# Altium PCB Brake Module B2 Sample.PcbDoc (part 1 of 2) (continued)
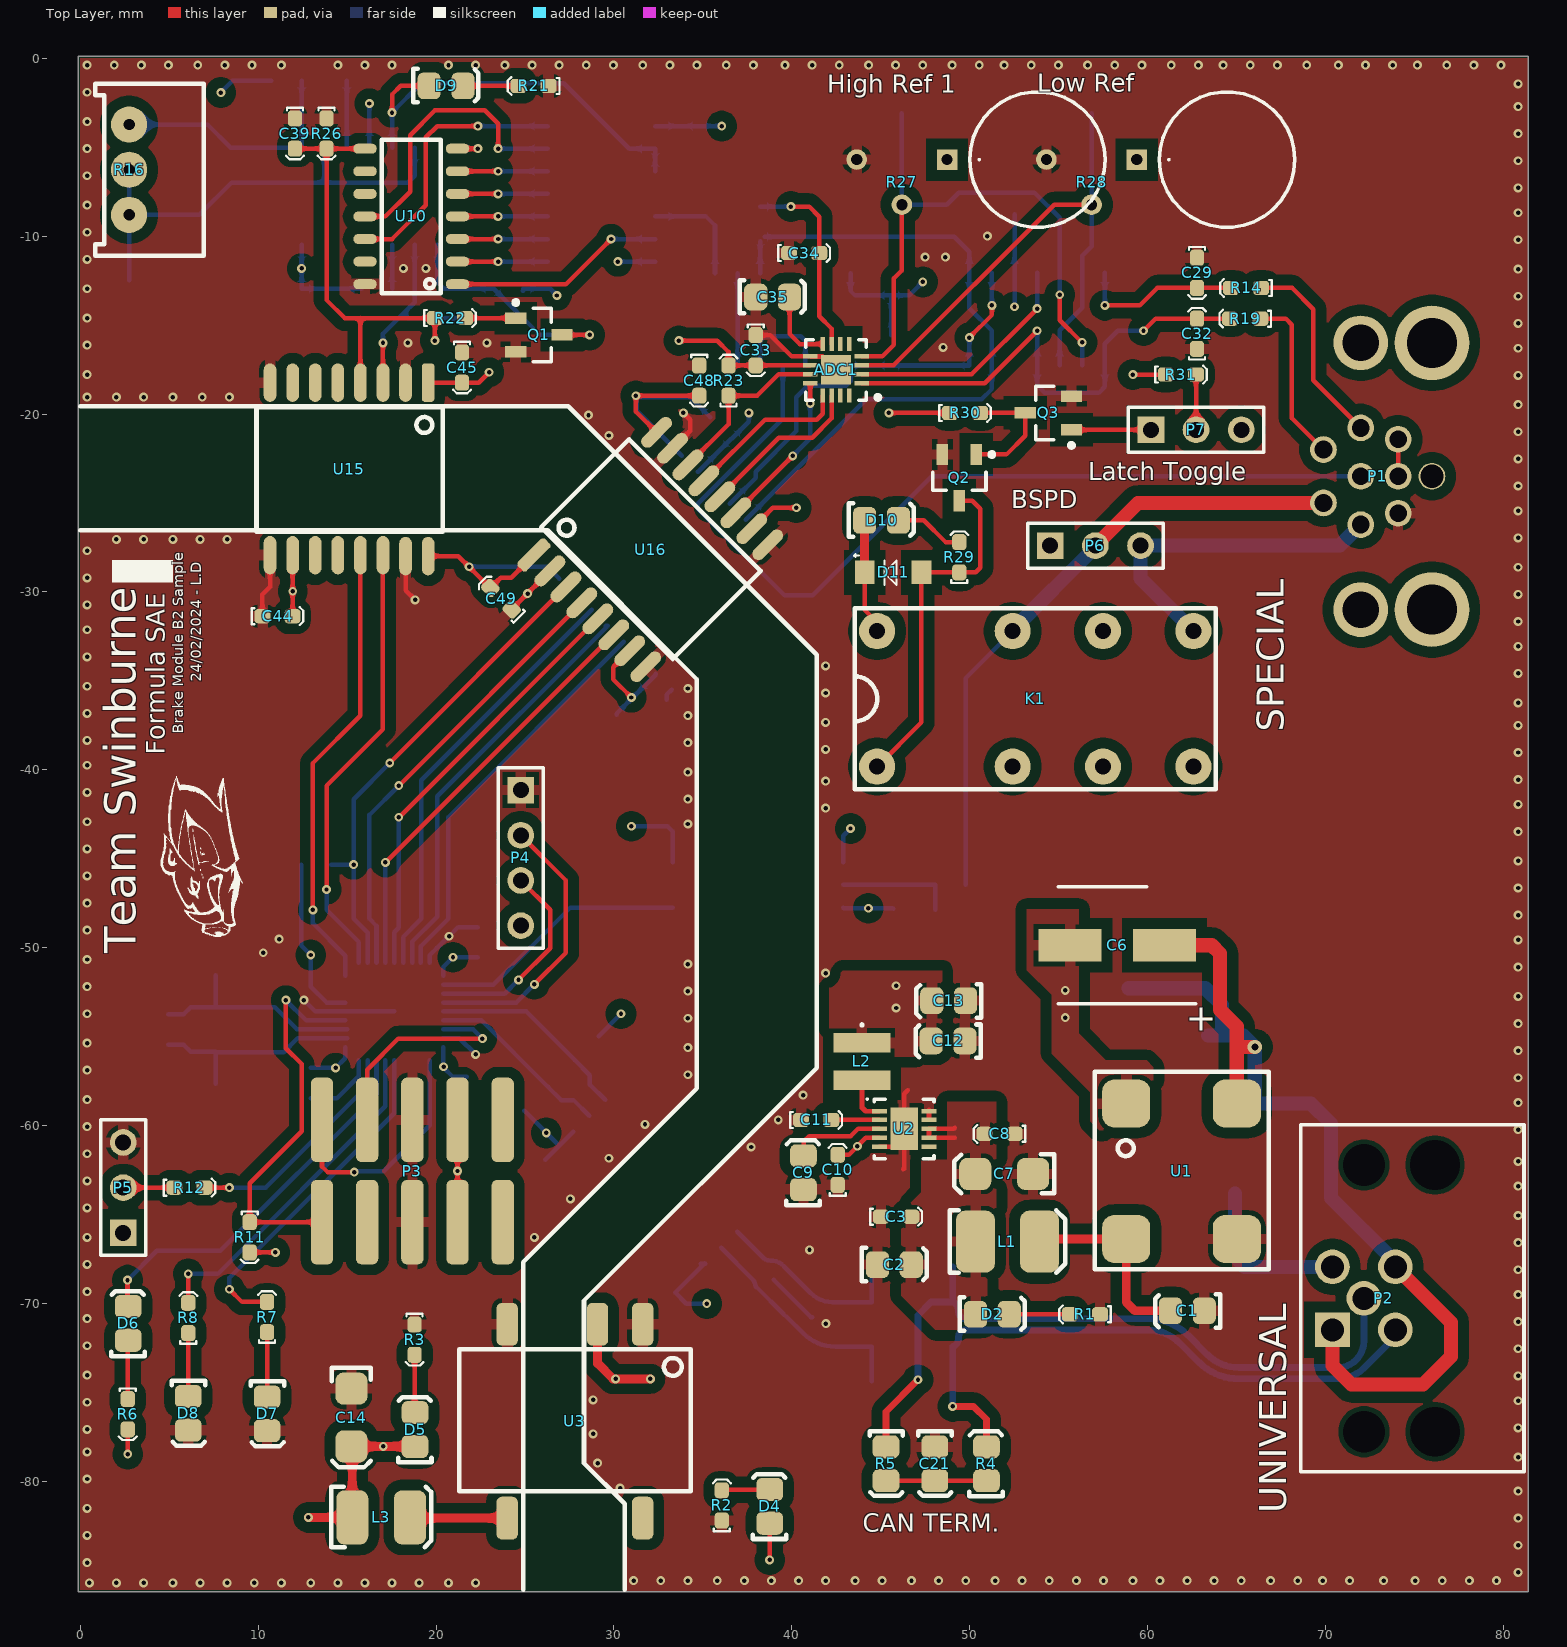
[diagram p0: Top Layer view]
## Design rules (kind name [scope] priority, off if disabled: settings)
Clearance [All] p1: gap=0.254 ignorepadtopadclearanceinfootprint=FALSE except(0: Arc-Hole Track-Hole SMDPad-Hole THPad-Hole Via-Hole Fill-Hole Region-Hole Text-Hole; 0.1: THPad-THPad; 0.152: Arc-SMDPad Track-SMDPad SMDPad-SMDPad; 0.2: Arc-THPad Track-THPad SMDPad-THPad THPad-Via; 0.203: Arc-Arc Arc-Track Arc-Region Track-Track Track-Region SMDPad-Region THPad-Region Via-Region Fill-Region Poly-Region Region-Region; 0.6: Arc-Poly Track-Poly SMDPad-Poly THPad-Poly Via-Poly Fill-Poly Poly-Poly)
DiffPairsRouting [All] p1: maxlimit=0.254 minlimit=0.254 mostfreqgap=0.254 toplayer_minwidth=0.381 toplayer_maxwidth=0.381 toplayer_prefwidth=0.381 midlayer1_minwidth=0.381 midlayer1_maxwidth=0.381 midlayer1_prefwidth=0.381 midlayer2_minwidth=0.381 midlayer2_maxwidth=0.381 midlayer2_prefwidth=0.381 bottomlayer_minwidth=0.381 bottomlayer_maxwidth=0.381 bottomlayer_prefwidth=0.381 maxuncoupledlength=12.7
Height [All] p1: minheight=0 maxheight=50 prefheight=12.7
HoleSize [All] p1: absolutevalues=TRUE maxlimit=10 minlimit=0.025 maxpercent=80.000 minpercent=20.000
MinimumSolderMaskSliver [All] p1 off: minsoldermaskwidth=0.254
NetAntennae [All] p1 off: netantennaetolerance=0
PlaneClearance [All] p1: clearance=0.4
PlaneConnect [All] p1: pad.planeconnectstyle=Relief pad.reliefexpansion=0.508 pad.reliefentries=4 pad.reliefconductorwidth=0.8 pad.reliefairgap=0.254 via.planeconnectstyle=Direct via.reliefexpansion=0.508 via.reliefentries=4 via.reliefconductorwidth=0.8 via.reliefairgap=0.254
PolygonConnect [All] p1: thpad.connectstyle=Relief thpad.reliefconductorwidth=0.6 thpad.reliefentries=4 thpad.polygonreliefangle="90 Angle" thpad.airgapwidth=0.254 smdpad.connectstyle=Relief smdpad.reliefconductorwidth=0.6 smdpad.reliefentries=4 smdpad.polygonreliefangle="90 Angle" smdpad.airgapwidth=0.254 via.connectstyle=Direct via.reliefconductorwidth=0.6 via.reliefentries=4 via.polygonreliefangle="90 Angle" via.airgapwidth=0.254
RoutingVias [All] p1: holewidth=0.711 width=1.27 viastyle="Through Hole" minholewidth=0.203 minwidth=0.254 maxholewidth=0.711 maxwidth=1.27
SilkToSilkClearance [All] p1 off: silktosilkclearance=0.254
SilkToSolderMaskClearance [IsPad] p1 off: minsilkscreentomaskgap=0.254 clearancetoexposedcopper=TRUE
SolderMaskExpansion [All] p1: expansion=0.051 istentingtop=FALSE
Width [All] p1: maxlimit=3 minlimit=0.127 preferedwidth=0.254
21 further rules are at their usual default settings.

## Classes and differential pairs
component class TopLevel: P1 P2
component class "Safety Loop": "BSPD Swap1" C42 C43 D10 D11 K1 P6 P7 Q2 Q3 R29 R30 R31 R32 R33 U13
component class "Power Supply": C1 C2 C3 C4 C5 C6 C7 C8 C9 C10 C11 C12 C13 C14 D1 D2 D3 D4 D5 F1 L1 L2 L3 R1 R2 R3 U1 U2 U3
component class Microcontroller: C22 C23 C24 C25 C26 C27 D6 D7 D8 P3 P4 P5 R6 R7 R8 R9 R10 R11 R12 R13 U7 X1
component class Isolation: C44 C45 C46 C47 C48 C49 R34 U14 U15 U16
component class CAN: C15 C16 C17 C18 C19 C20 C21 R4 R5 U4 U5 U6
component class BSPD: 1 ADC1 "BSPD OK1" C28 C29 C30 C31 C32 C33 C34 C35 C36 C37 C38 C39 C40 C41 D9 "High P.1" "Low P.1" Q1 R14 R15 R16 R17 R18 R19 R20 R21 R22 R23 R24 R25 R26 R27 R28 SR_IN1 U8 U9 U10 U11 U12
differential pair CAN1: +CAN1_P -CAN1_N

## Components (designator, comment, footprint, x,y, rotation, side; value= is the part's Value field where it differs from the comment)
ADC1 "ADS7028IRTER" WFQN-16 42.492,-17.514 r180 top
C1 "10uF" 0805 62.239,-70.446 r180 top
C2 "10uF" 0805 45.784,-67.802 r0 top
C3 "100nF" 0603 45.022,-65.135 r0 top
C4 "100nF" 0603 63.418,-54.952 r180 bottom
C5 "100nF" 0603 58.935,-52.285 r180 bottom
C6 "47uF" "CHEMI-CON ELCO" 58.302,-49.872 r180 top
C7 "4.7uF" "1206 CAP" 50.761,-62.725 r180 top
C8 "100nF" 0603 52.536,-60.475 r180 top
C9 "1µF" 0805 40.632,-62.65 r90 top
C10 "10nF" 0603 42.587,-63.351 r90 top
C11 "100nF" 0603 40.525,-59.695 r0 top
C12 "10uF" 0805 48.777,-55.277 r180 top
C13 "10uF" 0805 48.814,-53.01 r180 top
C14 "4.7uF" "1206 CAP" 15.24,-77.613 r270 top
C15 "100nF" 0603 32.248,-68.198 r315 bottom
C16 "100nF" 0603 24.948,-63.127 r45 bottom
C17 "100pF" 0603 50.752,-67.95 r180 bottom
C18 "100pF" 0603 50.752,-74.45 r180 bottom
C19 "100pF" 0603 42.802,-67.906 r0 bottom
C20 "100pF" 0603 42.802,-74.383 r0 bottom
C21 "22uF" 0805 48.076,-79.037 r270 top
C22 "100nF" 0603 22.352,-48.846 r270 bottom
C23 "100nF" 0603 12.954,-58.469 r90 bottom
C24 "100nF" 0603 11.254,-51.562 r0 bottom
C25 "100nF" 0603 23.417,-57.277 r180 bottom
C26 "22pF" 0603 9.32,-57.658 r180 bottom
C27 "22pF" 0603 9.32,-51.562 r180 bottom
C28 "100nF" 0603 10.746,-12.954 r0 bottom
C29 "100nF" 0603 62.794,-11.212 r270 top
C30 "10uF" 0805 3.683,-12.065 r180 bottom
C31 "10pF" 0603 16.686,-1.27 r180 bottom
C32 "100nF" 0603 62.794,-16.341 r90 top
C33 "100nF" 0603 37.978,-15.564 r270 top
C34 "100nF" 0603 39.85,-10.95 r0 top
C35 "1µF" 0805 38.94,-13.397 r0 top
C36 "100nF" 0603 34.798,-5.51 r90 bottom
C37 "100nF" 0603 50.829,-8.763 r0 bottom
C38 "100nF" 0603 45.593,-11.635 r270 bottom
C39 "100nF" 0603 12.065,-3.38 r270 top
C40 "100nF" 0603 44.494,-3.1 r0 bottom
C41 "100nF" 0603 55.162,-3.1 r0 bottom
C42 "100nF" 0603 45.72,-49.53 r90 bottom
C43 "100nF" 0603 32.385,-41.48 r270 bottom
C44 "100nF" 0603 10.238,-31.369 r0 top
C45 "100nF" 0603 21.463,-16.537 r270 top
C46 "100nF" 0603 31.369,-38.1 r135 bottom
C47 "100nF" 0603 36.635,-21.395 r135 bottom
C48 "100nF" 0603 34.798,-17.272 r270 top
C49 "100nF" 0603 24.257,-30.988 r135 top
D1 "PMEG100T10ELR-QX" SODFL350X110-2N 58.035,-54.952 r0 bottom
D2 "Red" "0805 LED" 51.296,-70.596 r0 top
D3 "SM6T39CAY" SM6T39CAY-Footprint-1 63.877,-58.762 r180 bottom
D4 "Red" "0805 LED" 38.735,-81.407 r90 top
D5 "Red" "0805 LED" 18.796,-77.089 r90 top
D6 "Yellow" "0805 LED" 2.667,-71.12 r90 top
D7 "Yellow" "0805 LED" 10.528,-76.228 r270 top
D8 "Yellow" "0805 LED" 6.096,-76.2 r270 top
D9 "Green" "0805 LED" 20.574,-1.524 r0 top
D10 "Green" "0805 LED" 45.062,-25.953 r0 top
D11 "PMEG100T10ELR-QX" "NXP SOD123W" 45.7,-28.9 r0 top
F1 "0ZCF0100AF2A" 2920 64.925,-63.85 r180 bottom
K1 "V23105A5475A201" "TI 2-DIL" 53.695,-36.015 r0 top
L1 "12uH" 1812 52.134,-66.532 r0 top
L2 "4.7uH" SRN3015TA-4R7M 43.95,-56.4 r270 top
L3 "47 uH" 82473C 18.102,-82.042 r0 top
P1 "43-02639" 43-02639 69.9,-25 r270 top
P2 "T4145035051-001" T4145035051-001 70.405,-71.495 r90 top
P3 "2.54mm" "TH 2.54mm Header 2x5" 18.589,-62.736 r0 top
P4 "2.54mm" "TH 2.54mm Header 1x4" 24.765,-41.148 r270 top
P5 "2.54mm" "TH 2.54mm Header 1x3" 2.413,-66.04 r90 top
P6 "2.54mm" "TH 2.54mm Header 1x3" 54.535,-27.4 r0 top
P7 "2.54mm" "TH 2.54mm Header 1x3" 60.198,-20.889 r0 top
Q1 "SQ2361ES-T1_GE3" "VSHY SOT-23-3" 25.781,-15.555 r0 top
Q2 "SQ2308CES-T1_GE3" "VSHY SOT-23-3" 49.425,-23.575 r270 top
Q3 "SQ2308CES-T1_GE3" "VSHY SOT-23-3" 54.429,-19.939 r180 top
R1 "20K" 0603 57.341,-70.622 r180 top
R2 "2K" 0603 36.068,-82.218 r90 top
R3 "1k" 0603 18.796,-71.198 r270 top
R4 "56R" 0805 50.924,-79.013 r90 top
R5 "56R" 0805 45.326,-79.037 r270 top
R6 "500R" 0603 2.667,-75.389 r270 top
R7 "500R" 0603 10.502,-71.628 r90 top
R8 "500R" 0603 6.07,-71.677 r90 top
R9 "5.1k" 0805 28.499,-55.663 r45 bottom
R10 "5.1k" 0805 25.6,-58.5 r225 bottom
R11 "10k" 0603 9.525,-65.44 r270 top
R12 "10k" 0603 5.285,-63.5 r0 top
R13 "10M" 0603 4.953,-55.46 r90 bottom
R14 "1k" 0603 66.399,-12.912 r180 top
R15 "10k" 0603 12.446,-1.27 r180 bottom
R16 "10K (Var)" "B 3296" 3.302,-6.35 r270 top
R17 "1.2k" 0603 17.526,-12.954 r180 bottom
R18 "1.2k" 0603 23.192,-12.954 r0 bottom
R19 "1k" 0603 66.35,-14.641 r180 top
R20 "10k" 0603 21.414,-16.305 r90 bottom
R21 "1.2k" 0603 26.338,-1.55 r180 top
R22 "680R" 0603 19.939,-14.605 r0 top
R23 "1.2k" 0603 36.449,-18.972 r90 top
R24 "1.2k" 0603 45.593,-17.272 r90 bottom
R25 "1.2k" 0603 38.227,-10.033 r90 bottom
R26 "10k" 0603 13.843,-3.38 r270 top
R27 "3339P-1-103LF" 3339P1103LF 48.734,-5.692 r180 top
R28 "3339P-1-103LF" 3339P1103LF 59.402,-5.692 r180 top
R29 "680R" 0603 49.425,-28.9 r90 top
R30 "680R" 0603 48.895,-19.939 r0 top
R31 "680R" 0603 61.038,-17.78 r0 top
R32 "10k" 0603 48.084,-46.482 r0 bottom
R33 "2K" 0603 48.084,-47.879 r0 bottom
R34 "1.2k" 0603 14.117,-45.339 r180 bottom
U1 "744272121" "Wurth 4-PC Pad" 65.03,-66.382 r90 top value="120uH @ 100kHz"
U2 "LM536015QDSXRQ1" TI_10_WSON 46.325,-60.195 r0 top
U3 "R2S-053.3/P" "RECOM 8-SMD (5 Pin)" 27.813,-76.581 r180 top
U4 "ISO1042" TI-SOIC-8 32.775,-62.725 r315 bottom
U5 "B82787C0104H002" "TDK 4-PC Pad" 49.052,-69.938 r180 bottom value="100µH @ 100kHz"
U6 "NUP2105L" "ON SOT-23" 39.7,-69.4 r225 bottom
U7 "STM32F103T8U6" STM_QFN-36 17.653,-53.594 r0 bottom
U8 "NE556DR" TI-SOIC14 16.256,-7.747 r270 bottom
U9 "MC74HC595ADR2G" "ON 16-SOIC" 29.179,-11.43 r0 bottom
U10 "CD74HC30M96" "TI 14-SOIC" 23.809,6.35 r90 top
U11 "SN74HC00DR" "TI 14-SOIC" 24.257,-19.872 r180 bottom
U12 "LMV339IDR" "TI 14-SOIC" 69.039,-9.465 r0 bottom
U13 "ADuM210N" AD-SOIC-8W 38.1,-47.117 r180 bottom
U14 "ADuM1400" "AD 16-SOIC" 34.417,-29.845 r315 bottom
U15 "ADuM1400" "AD 16-SOIC" 13.843,-23.114 r180 top
U16 "ADum1401" "AD 16-SOIC" 32.996,-28.517 r315 top
X1 "32.768kHz" "EPSON 2-SMD" 7.62,-54.61 r90 bottom

## Footprints (in the part's own frame and the unit in brackets; to place one, negate y for a bottom-side part, rotate by r counter-clockwise, add the part's x,y. Pads: shape width x height; smd on the part's side, far side on the other; paste and mask are expansions set on the pad)
43-02639 [mm]
  round 1.5 hole 1: 1(0,0) 2(-3,0) 3(-4.22,2.1) 4(-3.58,4.2) 5(-1.5,4.2) 6(0.58,4.2) 7(1.22,2.1) 8(-1.5,2.1)
  round 3.075 hole 2.05: MH1(6,2.1) MH3(-9,2.1)
  round 4.2 hole 2.8: MH2(6,6.1) MH4(-9,6.1)
  round 1.5 hole 1.3: MH5(-1.5,6.1)
  body extent -11.02,-1.4 7.98,25.4, height 16.1
0603 [mm]
  rrect50% 0.9x0.8 smd: 1(0,0) 2(1.7,0)
  silkscreen extent -0.6,-0.5 2.3,0.5, body extent 0.05,-0.42 1.65,0.43, height 0.6
0805 [mm]
  rrect50% 1.3x1.5 smd: 1(-0.962,-0.026) 2(0.938,-0.026)
  silkscreen extent -1.85,-0.95 1.8,0.93, body extent -1,-0.65 1,0.66, height 0.73
"0805 LED" [mm]
  rrect50% 1.3x1.5 smd: A(-0.962,-0.026) K(0.938,-0.026)
  silkscreen extent -1.85,-0.95 1.8,0.93, body extent -1.09,-0.63 0.91,0.62, height 1
"1206 CAP" [mm]
  rrect50% 1.8x1.8 smd: 1(-2.81,0) 2(0.44,0)
  silkscreen extent -3.99,-1.09 1.62,1.09, body extent -2.75,-0.79 0.45,0.81, height 1.61
1812 [mm]
  rrect50% 2.2x3.5 smd: 1(-1.8,0) 2(1.8,0)
  silkscreen extent -3.25,-1.75 3.25,1.75, body extent -2.25,-1.6 2.25,1.6, height 2.5
2920 [mm]
  rrect50% 2.3x5.6 smd: 1(0,0) 2(7.3,0)
  silkscreen extent -1.4,-3 9,3, body extent -0.34,-2.81 7.64,2.81, height 1.14
3339P1103LF [mm]
  rect 1.155x1.155 hole 0.63: 1(0,0)
  round 1.155 hole 0.63: 2(2.54,2.54) 3(5.08,0)
  silkscreen extent -8.89,-3.8 -1.27,3.8, body extent -1.27,-3.81 6.35,3.81, height 6.7
82473C [mm]
  rrect50% 1.8x3.05 smd: 1(-2.81,0) 2(0.44,0)
  silkscreen extent -3.99,-1.68 1.62,1.73, body extent -2.81,-1.25 0.45,1.26, height 2
"AD 16-SOIC" [mil]
  rrect50% 28x85 smd: 1(-225,-192.02)
  oval 28x85 smd: 2(-175,-192.02) 3(-125,-192.02) 4(-75,-192.02) 5(-25,-192.02) 6(25,-192.02) 7(75,-192.02) 8(125,-192.02) 9(125,190) 10(75,189.96) 11(25,189.96) 12(-25,189.96) 13(-75,189.96) 14(-125,189.96) 15(-175,191.98) 16(-225,191.98)
  silkscreen extent -257,-138 155,138, body extent -256,-209 156,209, height 104
AD-SOIC-8W [mm]
  rrect50% 1.7x0.6 smd: 1(-4.8,1.905) 2(-4.8,0.635) 3(-4.8,-0.635) 4(-4.8,-1.905) 5(4.8,-1.905) 6(4.8,-0.635) 7(4.8,0.635) 8(4.8,1.905)
  silkscreen extent -4.93,-3.05 3.55,3.05, body extent -5.16,-3.05 5.16,3.05, height 2.65
"B 3296" [mil]
  round 80 hole 25.2: 1(-103.39,-22) 2(-3.39,-22) 3(96.61,-22)
  silkscreen extent -193,-97 187,143, body extent -191,-97 184,143, height 455
"CHEMI-CON ELCO" [mm]
  rect 3.55x1.85 smd: 1(-2.65,0) 2(2.65,0)
  silkscreen extent -4.43,-3.3 3.3,3.3, body extent -3.7,-3.4 3.7,3.4, height 6.1
"EPSON 2-SMD" [mm]
  rrect50% 1x1.8 smd: 1(-1.25,0) 2(1.25,0)
  silkscreen extent -2,-1.2 2,1.2, body extent -1.5,-1 1.5,1, height 1
"NXP SOD123W" [mm]
  rect 1.1x1.3 smd: A(1.6,0) K(-1.6,0)
  silkscreen extent -2.2,-0.73 0.2,1.04, body extent -1.75,-0.95 1.75,0.95, height 1.1
"ON 16-SOIC" [mm]
  rrect50% 1.6x0.58 smd: 1(-2.89,0) 2(-2.89,-1.27) 3(-2.89,-2.54) 4(-2.89,-3.81) 5(-2.89,-5.08) 6(-2.89,-6.35) 7(-2.89,-7.62) 8(-2.89,-8.89) 9(3.14,-8.89) 10(3.14,-7.62) 11(3.14,-6.35) 12(3.14,-5.08) 13(3.14,-3.81) 14(3.14,-2.54) 15(3.14,-1.27) 16(3.14,0)
  silkscreen extent -1.75,-9.5 2,0.75, body extent -3.09,-9.4 3.14,0.6, height 1.75
"ON SOT-23" [mm] "NUP2105L"
  rrect50% 0.8x0.9 smd: 1(-0.95,-1) 2(0.95,-1) 3(0,1)
  silkscreen extent -1.75,-0.65 1.75,0.75, body extent -1.5,-1.28 1.5,1.27, height 1
"RECOM 8-SMD (5 Pin)" [mm]
  rrect50% 1.2x2.4 smd: 1(-3.81,-5.4) 2(-1.27,-5.4) 4(3.81,-5.4) 5(3.81,5.5) 8(-3.81,5.5)
  silkscreen extent -6.5,-4 6.5,4, body extent -6.37,-5.55 6.38,5.55, height 9.2
SM6T39CAY-Footprint-1 [mm]
  rect 2.28x2.12 smd: A(2.165,0) K(-2.165,0)
  silkscreen extent -2.16,-1.81 2.16,1.81, body extent -2.79,-1.98 2.79,1.98, height 2.64
SODFL350X110-2N [mm] "SODFL, 2-Leads, Body 1.70x3.50mm, IPC Medium Density"
  rect 0.95x1.1 smd: A(1.575,0) K(-1.575,0)
  silkscreen extent -2.29,-1.19 2.28,1.18, body extent -1.75,-0.95 1.75,0.95, height 1.1
SRN3015TA-4R7M [mm]
  rect 1.1x3.2 smd: 1(-1.05,0) 2(1.05,0)
  silkscreen extent -2.1,-0.05 -2,0.05, body extent -1.46,-1.47 1.61,1.47, height 1.4
STM_QFN-36 [mm]
  rrect50% 1.1x0.25 smd: 1(-2.75,2) 2(-2.75,1.5) 3(-2.75,1) 4(-2.75,0.5) 5(-2.75,0) 6(-2.75,-0.5) 7(-2.75,-1) 8(-2.75,-1.5) 9(-2.75,-2) 19(2.75,-2) 20(2.75,-1.5) 21(2.75,-1) 22(2.75,-0.5) 23(2.75,0) 24(2.75,0.5) 25(2.75,1) 26(2.75,1.5) 27(2.75,2)
  rrect50% 0.25x1.1 smd: 10(-2,-2.75) 11(-1.5,-2.75) 12(-1,-2.75) 13(-0.5,-2.75) 14(0,-2.75) 15(0.5,-2.75) 16(1,-2.75) 17(1.5,-2.75) 18(2,-2.75) 28(2,2.75) 29(1.5,2.75) 30(1,2.75) 31(0.5,2.75) 32(0,2.75) 33(-0.5,2.75) 34(-1,2.75) 35(-1.5,2.75) 36(-2,2.75)
  rect 3x3 smd: 37(0,0)
  silkscreen extent -3.98,-3.21 3.21,3.21, body extent -3.08,-3.08 3.08,3.08, height 1
T4145035051-001 [mm]
  rect 1.95x1.95 hole 1.3: 1(0,0)
  round 1.95 hole 1.3: 2(3.54,0) 3(3.54,-3.54) 4(0,-3.54) 5(1.77,-1.77)
  round 1.175 hole 2.35 unplated: 6(-5.73,-1.77) 9(9.27,-1.77)
  round 1.4 hole 2.8 unplated: 7(-5.73,-5.77) 8(9.27,-5.77)
  silkscreen extent -7.98,-10.77 11.52,1.77, body extent -7.97,-24.73 11.53,1.27, height 16.2
"TDK 4-PC Pad" [mm]
  rrect50% 1.35x0.9 smd: 1(0,-2.5) 2(0,0) 3(4.55,0) 4(4.55,-2.5)
  silkscreen extent -1,-3.2 5.5,0.7, body extent -0.02,-2.82 4.48,0.38, height 2.8
"TH 2.54mm Header 1x3" [mm]
  rect 1.5x1.5 hole 0.9: 1(0,0)
  round 1.5 hole 0.9: 2(2.54,0) 3(5.08,0)
  silkscreen extent -1.27,-1.27 6.35,1.27, body extent -1.27,-1.27 6.35,1.27, height 9.5
"TH 2.54mm Header 1x4" [mm]
  rect 1.5x1.5 hole 0.9: 1(0,0)
  round 1.5 hole 0.9: 2(2.54,0) 3(5.08,0) 4(7.62,0)
  silkscreen extent -1.27,-1.27 8.89,1.27, body extent -1.27,-1.27 8.89,1.27, height 9.5
"TH 2.54mm Header 2x5" [mm]
  rrect50% 1.25x4.75 smd: 1(-5,-2.704) 2(-5,3.046) 3(-2.46,-2.704) 4(-2.46,3.046) 5(0.08,-2.704) 6(0.08,3.046) 7(2.62,-2.704) 8(2.62,3.046) 9(5.16,-2.704) 10(5.16,3.046)
"TI 2-DIL" [mil]
  round 80 hole 35.43: 1(-350,-150) 4(-50,-150) 6(150,-150) 8(350,-150) 9(350,150) 11(150,150) 13(-50,150) 16(-350,150)
  silkscreen extent -400,-200 400,200, body extent -398,-197 398,197, height 450
"TI 14-SOIC" [mil]
  oval 22x52 smd: 1(-750,102.36) 2(-700,102.36) 3(-650,102.36) 4(-600,102.36) 5(-550,102.36) 6(-500,102.36) 7(-450,102.36) 8(-450,307.09) 9(-500,307.09) 10(-550,307.09) 11(-600,307.09) 12(-650,307.09) 13(-700,307.09) 14(-750,307.09)
  silkscreen extent -770,140 -430,270, body extent -770,86 -430,323, height 69
TI-SOIC14 [mm]
  rrect50% 1.45x0.6 smd: 1(-2.725,3.81) 2(-2.725,2.54) 3(-2.725,1.27) 4(-2.725,0) 5(-2.725,-1.27) 6(-2.725,-2.54) 7(-2.725,-3.81) 8(2.725,-3.81) 9(2.725,-2.54) 10(2.725,-1.27) 11(2.725,0) 12(2.725,1.27) 13(2.725,2.54) 14(2.725,3.81)
  silkscreen extent -2.85,-4.4 1.6,4.78, body extent -3,-4.4 3,4.4, height 1.75
TI-SOIC-8 [mm]
  rrect50% 1.95x0.6 smd: 1(-5.25,1.905) 2(-5.25,0.635) 3(-5.25,-0.635) 4(-5.25,-1.905) 5(5.25,-1.905) 6(5.25,-0.635) 7(5.25,0.635) 8(5.25,1.905)
  silkscreen extent -5.37,-3 3.88,3, body extent -5.75,-3 5.75,3, height 2.8
TI_10_WSON [mm]
  rect 0.85x0.25 smd: 1(-1.395,1) 2(-1.395,0.5) 3(-1.395,0) 4(-1.395,-0.5) 5(-1.395,-1) 6(1.395,-1) 7(1.395,-0.5) 8(1.395,0) 9(1.395,0.5) 10(1.395,1)
  rect 1.54x2.4 smd: 11(0,0)
  silkscreen extent -2.12,-1.68 1.67,1.72, body extent -1.58,-1.53 1.58,1.53, height 0.8
"VSHY SOT-23-3" [mm] "SOT23, 3-Leads, Body 2.92x2.37mm, Pitch 0.95mm, IPC Low Density"
  rect 1.2x0.65 smd: D(1.3,0) G(-1.3,0.95) S(-1.3,-0.95)
  silkscreen extent -1.42,-1.5 0.7,1.95, body extent -1.32,-1.52 1.32,1.52, height 1.12
WFQN-16 [mm]
  rect 0.8x0.25 smd: 1(-1.45,0.75) 2(-1.45,0.25) 3(-1.45,-0.25) 4(-1.45,-0.75) 9(1.45,-0.75) 10(1.45,-0.25) 11(1.45,0.25) 12(1.45,0.75)
  rect 0.25x0.8 smd: 5(-0.75,-1.45) 6(-0.25,-1.45) 7(0.25,-1.45) 8(0.75,-1.45) 13(0.75,1.45) 14(0.25,1.45) 15(-0.25,1.45) 16(-0.75,1.45)
  rect 1.68x1.68 smd: 17(0,0)
  silkscreen extent -2.48,-1.7 1.7,1.7, body extent -1.6,-1.6 1.6,1.6, height 0.8
"Wurth 4-PC Pad" [mm]
  rrect50% 2.7x2.7 smd: 1(7.62,6.22) 2(0,6.22) 3(0,0) 4(7.62,0)
  silkscreen extent -1.7,-1.8 9.4,8, body extent -1.19,-1.24 8.81,7.46, height 6.2

## Part data
ADC1: "IC ADC 12BIT SAR 16WQFN", Manufacturer="Texas Instruments", Digikey Link=https://www.digikey.com.au/en/products/detail/texas-instruments/ADS7028IRTER/12696020?s=N4IgTCBcDaIIIBEDKB2ADGAHASQEoBUBRXEAXQF8g, Digikey Part Number=ADS7028IRTER, Part Number=ADS7028IRTER
C1 C2 C12 C13 C30: library part GRM21BR6YA106KE43L, Digikey Part Number=490-10514-6-ND, Manufacturer=muRata, Rated Voltage=50V, Temperature Rating=X5R, Tolerance=10%, Material=MLCC, Part Number=GRM21BR6YA106KE43L
C3 C4 C5 C8 C11 C15 C16 C22 C23 C24 C25 C28 C29 C32 C33 C34 C36 C37 C38 C39 C40 C41 C42 C43 C44 C45 C46 C47 C48 C49: library part GCM188L81H104KA57D, Digikey Part Number=490-6049-1-ND, Manufacturer=muRata, Rated Voltage=50V, Temperature Rating=X8L, Tolerance=±10%, Material=MLCC, Part Number=GCM188L81H104KA57D
C6: library part HHXA350ARA470MF61G, Part Number=HHXA350ARA470MF61G
C7 C14: library part GRM31CR71H475KA12K, Digikey Part Number=490-GRM31CR71H475KA12KTR-ND, Manufacturer="Murata Electronics", Rated Voltage=50V, Temperature Rating=X7R, Tolerance=±10%, Material=MLCC, Part Number=GRM31CR71H475KA12K
C9 C35: library part GCM21BR71H105KA03L, Digikey Part Number=490-10675-1-ND, Manufacturer=muRata, Rated Voltage=50V, Temperature Rating=X7R, Tolerance=±10%, Material=MLCC, Part Number=GCM21BR71H105KA03L
C10: library part GCM188L81H103KA03D, Digikey Part Number=490-GCM188L81H103KA03DCT-ND, Manufacturer=muRata, Rated Voltage=50V, Temperature Rating=X8L, Tolerance=±10%, Material=MLCC, Part Number=GCM188L81H103KA03D
C17 C18 C19 C20: library part GRM1885C1H101JA01D, Digikey Part Number=490-1427-1-ND, Manufacturer="Murata Electronics", Rated Voltage=50V, Temperature Rating="C0G, NP0", Tolerance=±5%, Material=MLCC, Part Number=GRM1885C1H101JA01D
C21: library part GRM21BR61A226ME51L, Digikey Part Number=490-10511-1-ND, Manufacturer=muRata, Rated Voltage=10V, Temperature Rating=X5R, Tolerance=20%, Material=MLCC, Part Number=GRM21BR61A226ME51L
C26 C27: library part GRM0335C1H220JA01D, Digikey Part Number=490-6123-1-ND, Manufacturer="Murata Electronics", Rated Voltage=50V, Temperature Rating="C0G, NP0", Tolerance=±5%, Material=MLCC, Part Number=GRM0335C1H220JA01D
C31: library part GRM1885C1H100JA01D, Digikey Part Number=490-1403-1-ND, Manufacturer="Murata Electronics", Rated Voltage=50V, Temperature Rating="C0G, NP0", Tolerance=±5%, Material=MLCC, Part Number=GRM1885C1H100JA01D
D1: library part CMP-004-00005-4, "Diode 100 V 1A Surface Mount SOD-123W"
D2 D4 D5: library part SML-210LTT86, "Red LED Indication - Discrete 1.75V 0805 (2012 Metric)", Digikey Part Number=511-1286-1-ND, Manufacturer="ROHM Semiconductor", Colour=Red, Part Number=SML-210LTT86
D3: library part CMP-004-00003-4, "TVS Diode Single Bi-Dir 33.3V 600W Automotive 2-Pin SMB T/R / TVS DIODE 33.3VWM 69.7VC SMB", Breakdown Voltage=39V, Case/Package=DO-214AA, Clamping Voltage=53.9V, Leakage Current=200nA, Max Breakdown Voltage=41V, Max Operating Temperature=150°C, Max Power Dissipation=600W, Max Surge Current=11.1A, Min Breakdown Voltage=37.1V, Min Operating Temperature=-55°C, Operating Supply Voltage=30V, Package Quantity=1, Peak Pulse Current=57A, Power Line Protection=No, Resistor Type=Zener, Reverse Standoff Voltage=33.3V, Test Current=1mA, Diode Type=ZENER, Direction=Bidirectional, Element Configuration=Single, Height=2.45mm, Length=4.6mm, Max Reverse Leakage Current=200nA, Mount="Surface Mount", Number of Bidirectional Channels=1, Number of Channels=1, Number of Elements=1, Number of Pins=2, Packaging="Tape and Reel", Peak Pulse Power=600W, Polarity=Bidirectional, Radiation Hardening=No, REACH SVHC="No SVHC", Reverse Breakdown Voltage=37.1V, RoHS Compliant=Yes, Series="Automotive, AEC-Q101, SM6TY, TRANSIL™", Termination=SMD/SMT, Width=3.95mm
D6 D7 D8: library part SML-211YTT86, "Yellow LED Indication - Discrete 1.75V 0805 (2012 Metric)", Digikey Part Number=511-1293-1-ND, Manufacturer="ROHM Semiconductor", Colour=Yellow, Part Number=SML-211YTT86
D9 D10: library part SML-210FTT86, "Green LED Indication - Discrete 1.75V 0805 (2012 Metric)", Digikey Part Number=511-1285-1-ND, Manufacturer="ROHM Semiconductor", Colour=Green, Part Number=SML-210FTT86
D11: Breakdown Voltage="100 V", Digikey Part Number=1727-PMEG100T10ELR-QXCT-ND, Forward Voltage="0.75 V @ 1A", Manufacturer="Nexperia USA Inc.", Rated Power="680 mW", Part Number=PMEG100T10ELR-QX
F1: "PTC RESET FUSE 60V 1A 292", Digikey Part Number=507-2070-1-ND, Manufacturer="Littelfuse Inc.", Digikey Link=https://www.digikey.com/product-detail/en/bel-fuse-inc/0ZCF0100AF2A/507-2070-1-ND/6210547, Part Number=0ZCF0100AF2A
K1: "5V DPDT Relay 3A 220VDC", Digikey Part Number=PB383-ND, Manufacturer=Axicom, Digikey Link=https://www.digikey.com/products/en?mpart=V23105A5001A201&v=41, Part Number=V23105A5475A201
L1: library part RLS-126, Digikey Part Number=945-3429-ND, Manufacturer=Recom, Rated Current="0.8 A", Tolerance=0.2, Impedance=230mOhm, Material=Wirewound, Part Number=RLS-126
L2: library part SRN3015TA-4R7M, Digikey Part Number=SRN3015TA-4R7MCT-ND, Manufacturer=Bourns, Rated Current=1.2A, Tolerance=0.2, Impedance=120mOhms, Material=Wirewound, Part Number=SRN3015TA-4R7M
L3: library part 82473C, Digikey Part Number=811-2477-2-ND, Manufacturer="Murata Power Solutions Inc.", Rated Current=250mA, Tolerance=0.1, Impedance="1.69 Ohms", Material=Wirewound, Part Number=82473C
P1: "M12, 8 Pin Connector", Angle=90, Contact="Copper Alloy", Flange=Yes, Part Number=43-02639, Positions=8
P2: "M12 NMEA 2000 Header", Angle=90, Contact="Copper Alloy", Flange=Yes, Part Number=T4145035051-001, Positions=5
P3: library part "SMD 2.54mm Header 2x5", Angle=0, Contact=NA, Flange=No, Part Number="SMD 2.54mm Header 2x5", Pitch=2.54mm, Positions=10, Row Spacing=2.54mm
P4: library part "TH 2.54mm Header 1x4", Angle=0, Contact=NA, Flange=No, Part Number="TH 2.54mm Header 1x4", Pitch=2.54mm, Positions=4, Row Spacing=2.54mm
P5 P6 P7: library part "TH 2.54mm Header 1x3", Angle=0, Contact=NA, Flange=No, Part Number="TH 2.54mm Header 1x3", Pitch=2.54mm, Positions=3, Row Spacing=2.54mm
Q1: "MOSFET P-CH 60V 2.8A SSOT23", Digikey Part Number=SQ2361ES-T1_GE3CT-ND, Manufacturer="Vishay Siliconix", Rated Power="2 W", LatestRevisionDate=29-May-2009, LatestRevisionNote="IPC-7351 Footprint Added.", PackageDescription="4-Pin SOT-343 Package 1.3 mm Pitch, 2.1 mm Lead Span", PackageReference=SOT-343, PackageVersion=Sep-2000, Part Number=SQ2361ES-T1_GE3, Published=24-Mar-1999, Publisher="Altium Limited", Type=P-channel
Q2 Q3: "MOSFET N-CH 60V 2.3A SOT23", Digikey Part Number=SQ2308CES-T1_GE3CT-ND, Manufacturer="Vishay Siliconix", Rated Power=2W, LatestRevisionDate=29-May-2009, LatestRevisionNote="IPC-7351 Footprint Added.", PackageDescription="4-Pin SOT-343 Package 1.3 mm Pitch, 2.1 mm Lead Span", PackageReference=SOT-343, PackageVersion=Sep-2000, Part Number=SQ2308CES-T1_GE3, Published=24-Mar-1999, Publisher="Altium Limited", Type=N-channel
R1: library part RC0603FR-0720KL, Digikey Part Number=311-20.0KHRCT-ND, Manufacturer=YAGEO, Rated Power=0.1W, Tolerance=0.01, Material=FR-07, Part Number=RC0603FR-0720KL
R2 R33: library part RC0603FR-072KL, Digikey Part Number=311-2.00KHRCT-ND, Manufacturer=YAGEO, Rated Power=0.1W, Tolerance=0.01, Material=FR-07, Part Number=RC0603FR-072KL
R3 R14 R19: library part RC0603FR-071KL, Digikey Part Number=311-1.00KHRCT-ND, Manufacturer=YAGEO, Rated Power=0.1W, Tolerance=0.01, Material=FR-07, Part Number=RC0603FR-071KL
R4 R5: library part RC0805FR0756RL, Digikey Part Number=311-56.0CRCT-ND, Manufacturer=YAGEO, Rated Power=0.125W, Tolerance=0.01, Material=FR-07, Part Number=RC0805FR0756RL
R6 R7 R8: library part RT0603BRD07500RL, Digikey Part Number=13-RT0603BRD07500RL-ND, Manufacturer=YAGEO, Rated Power=0.1W, Tolerance=0.01, Material=FR-07, Part Number=RT0603BRD07500RL
R9 R10: library part RC0805FR075K1L, Digikey Part Number=311-5.10KCRCT-ND, Manufacturer=YAGEO, Rated Power=0.125W, Tolerance=0.01, Material=FR-07, Part Number=RC0805FR075K1L
R11 R12 R15 R20 R26 R32: library part RC0603FR-0710KL, Digikey Part Number=311-10.0KHRCT-ND, Manufacturer=YAGEO, Rated Power=0.1W, Tolerance=0.01, Material=FR-07, Part Number=RC0603FR-0710KL
R13: library part RC0603FR-1310ML, Digikey Part Number=13-RC0603FR-1310MLCT-ND, Manufacturer=YAGEO, Rated Power=0.1W, Tolerance=0.01, Material=FR-07, Part Number=RC0603FR-1310ML
R16: library part 3296W-1-103LF, Digikey Part Number=3296W-103LF-ND, Manufacturer="Bournes Inc", Rated Power=0.5W, Tolerance=0.1, Part Number=3296W-1-103LF
R17 R18 R21 R23 R24 R25 R34: library part RC0603JR-071K2L, Digikey Part Number=311-1.2KGRCT-ND, Manufacturer=YAGEO, Rated Power=0.1W, Tolerance=0.01, Material=FR-07, Part Number=RC0603JR-071K2L
R22 R29 R30 R31: library part RC0603JR-13680RL, Digikey Part Number=13-RC0603JR-13680RLCT-ND, Manufacturer=YAGEO, Rated Power=0.1W, Tolerance=0.01, Material=FR-07, Part Number=RC0603JR-13680RL
R27 R28: "Variable Resistor", Manufacturer_Name=Bourns, Mouser Part Number=652-3339P-1-103LF, Arrow Part Number=3339P-1-103LF, Arrow Price/Stock=https://www.arrow.com/en/products/3339p-1-103lf/bourns?region=nac, Datasheet Link=http://www.bourns.com/docs/Product-Datasheets/3339.pdf, Height=6.6mm, Manufacturer_Part_Number=3339P-1-103LF, Mouser Price/Stock=https://www.mouser.co.uk/ProductDetail/Bourns/3339P-1-103LF?qs=pSi0RBzb0oq3DckZs1IQyg%3D%3D
U1: Digikey Part Number=732-1489-1-ND, Manufacturer="Wurth Electronics Inc", Rated Current="2.5 A", Impedance="460 Ohms @ 30MHz", Material=Wirewound, Part Number=744272121
U2: "DC DC CONVERTER 5V", Digikey Part Number=296-50359-1-ND, Input Voltage="4.5 to 36 V", Manufacturer="Texas Instruments", Output Current="1.0 A", Output Voltage=5V, Part Number=LM536015QDSXRQ1
U3: "Isolated Module DC DC Converter 1 Output 3.3V 606mA 4.5V - 5.5V Input", Digikey Part Number=945-2677-5-ND, Input Voltage=4.5V-5.5V, Manufacturer=Recom, Output Current=606mA, Output Voltage=3.3V, Part Number=R2S-053.3/P
U4: "IC CAN TRANSCEIVER 1/1 8SOIC", Digikey Part Number=296-ISO1042BQDWVQ1-ND, Manufacturer="Texas Instruments", Part Number=ISO1042
U5: Digikey Part Number=495-4598-1-ND, Manufacturer="EPCOS (TDK)", Rated Current=150mA, Impedance="5.8 kOhms @ 10MHz", Material=Wirewound, Part Number=B82787C0104H002
U6: "Dual Line CAN Bus Protector", Digikey Part Number=NUP2105LT1GOSCT-ND, Manufacturer="ON Semiconductor", Digikey Link=https://www.digikey.com/product-detail/en/on-semiconductor/NUP2105LT1G/NUP2105LT1GOSCT-ND/1485001, Part Number=NUP2105L
U7: "ARM® Cortex®-M3 STM32F1 Microcontroller IC 32-Bit 72MHz 64KB (64K x 8) FLASH QFN", Manufacturer="ST Microelectronics", Digikey Link=https://www.digikey.com/en/products/detail/stmicroelectronics/stm32f103t8u6/1852493, Digikey Part Number=STM32F103T8U6, Part Number=STM32F103T8U6
U8: "IC OSC TIMER DUAL 100KHZ 14SOIC", Digikey Part Number=296-26240-1-ND, Manufacturer="Texas Instruments", Digikey Link=https://www.digikey.com.au/en/products/detail/texas-instruments/ne556dr/1571975, Part Number=NE556DR
U9: library part CMP-022-000000-1, "IC SHIFT REGISTR 8BIT 3ST 16SOIC", Part Number=MC74HC595ADR2G
U10: library part CMP-022-000012-1, "IC GATE NAND 1CH 8-INP 14SOIC", Part Number=CD74HC30M96
U11: library part CMP-022-000002-1, "NAND Gate IC 4 Channel 14-SOIC", Part Number=SN74HC00DR
U12: library part CMP-022-000001-1, "Comparator General Purpose Open Collector 14-SOIC", Part Number=LMV339IDR
U13: "DGTL ISO 5000VRMS 1CH GP 8SOIC", Digikey Part Number=ADUM210N1BRIZ-ND, Manufacturer="Analogue Devices", Digikey Link=https://www.analog.com/media/en/technical-documentation/data-sheets/ADuM210N.pdf, Part Number=ADuM210N
U14 U15: "General Purpose Digital Isolator 2500Vrms 4 Channel 1Mbps 25kV/µs CMTI 16-SOIC (0.295\", 7.50mm Width)", Digikey Part Number=ADUM1400WSRWZ-ND, Manufacturer="Analog Devices", Digikey Link=https://www.digikey.com/product-detail/en/analog-devices-inc/ADUM1400WSRWZ/ADUM1400WSRWZ-ND/1873713, Part Number=ADuM1400
U16: library part ADuM1401, "General Purpose Digital Isolator 2500Vrms 4 Channel 1Mbps 25kV/µs CMTI 16-SOIC (0.295\", 7.50mm Width)", Manufacturer="Analog Devices", Part Number=ADuM1401
X1: library part "FC-135 32.7680KA-A5", Digikey Part Number=SER4103TR-ND, Load Capacitance=12.5pF, Manufacturer=EPSON, Digikey Link=https://www.digikey.com/product-detail/en/epson/FC-135-32.7680KA-A5/SER4103TR-ND/5259895, ESR=70k, Part Number="FC-135 32.7680KA-A5"

## Via types
v1: diameter 0.5, hole 0.25, Top Layer to Bottom Layer, 345 vias
v2: diameter 0.8, hole 0.4, Top Layer to Bottom Layer, 1 vias

## Nets (pads, with @x,y where several pads share a name; then routed paths per layer and width w, separated by ;. In a path a pad name is that pad's centre, name@x,y a point inside that pad or via, vN(x,y) a via of type N, cw(c..) or ccw(c..) an arc to the next point about the centre after c; other vN are vias at no path point)
0V: ADC1.9 ADC1.17 C1.1 C2.1 C3.1 C7.1 C8.1 C9.1 C10.1 C11.1 C12.1 C13.1 C15.1 C17.1 C18.1 C19.1 C20.1 C21.1 C28.1 C29.1 C30.1 C31.1 C32.1 C33.1 C34.1 C35.1 C36.1 C37.1 C38.1 C39.1 C40.1 C41.1 C42.1 C45.1 C47.1 C48.1 P1.6 Q1.S Q2.S Q3.S R1.1 R2.1 R20.1 R21.1 R26.1 R27.3 R28.3 R33.2 U1.3 U2.5 U2.9 U2.10 U2.11 U3.1 U4.5 U6.3 U8.7 U8.12 U9.8 U9.13 U10.14 U11.7 U12.12 U13.4 U14.2 U14.8 U15.2 U15.8 U16.9 U16.15 | length 22.2
  Top Layer w0.254: U16.15@33.301,-21.926 34.29,-20.937 34.29,-20.32 v1(33.909,-19.939) ; C33.1@37.978,-15.564 38.805,-15.564 40.005,-16.764 ADC1.9@41.042,-16.764 41.044,-16.766 41.744,-16.766 ADC1.17@42.492,-17.514 ; U2.5@44.93,-61.195 45.682,-61.195 U2.11@46.325,-60.552 ; 46.275,-62.475 46.325,-62.425 U2.11@46.325,-60.552 ; 46.525,-58.025 46.325,-58.225 U2.11@46.325,-60.195 U2.11@46.325,-60.552 ; U2.9@47.72,-59.695 U2.10@47.72,-59.195 U2.10@47.72,-59.13
  Bottom Layer w0.254: U14.2@34.723,-23.253 34.75,-23.253 36.608,-21.395 C47.1@36.635,-21.395 37.592,-20.438 v1(37.592,-19.939) ; U6.3@38.993,-68.693 41.075,-70.775 41.15,-70.775
  other v1: 31.115,-85.598 32.639,-85.598 34.163,-85.598 35.814,-85.598 37.338,-85.598 38.862,-85.598 40.386,-85.598 41.91,-85.598 43.561,-85.598 45.085,-85.598 46.736,-85.598 48.26,-85.598 49.784,-85.598 51.435,-85.598 52.959,-85.598 54.483,-85.598 56.007,-85.598 57.531,-85.598 59.182,-85.598 60.706,-85.598 62.23,-85.598 63.754,-85.598 65.278,-85.598 66.929,-85.598 68.453,-85.598 69.85,-85.598 71.374,-85.598 73.279,-85.598 75.057,-85.598 76.581,-85.598 78.105,-85.598 79.629,-85.598 80.85,-85.134 80.85,-83.61 80.85,-82.086 80.85,-80.562 30.353,-80.391 29.083,-78.994 80.85,-78.657 28.829,-77.343 80.85,-77.006 80.85,-75.482 28.829,-75.438 80.85,-74.085 80.85,-72.561 41.925,-71.15 80.85,-71.037 80.85,-69.513 80.85,-68.116 41,-67 80.85,-66.592 80.85,-65.068 80.85,-63.417 80.85,-62.02 37.719,-61.214 80.85,-60.242 39.243,-59.69 80.85,-58.718 40.64,-58.293 80.85,-57.321 80.85,-55.797 80.85,-54.273 80.85,-52.749 41.91,-51.435 80.85,-51.098 80.85,-49.574 80.85,-48.177 80.85,-46.653 80.85,-45.129 80.85,-43.478 41.91,-42.164 80.85,-41.954 41.91,-40.64 80.85,-40.557 80.85,-39.033 41.91,-38.862 80.85,-37.509 41.91,-37.338 80.85,-36.239 41.91,-35.687 80.85,-34.588 41.91,-34.163 80.85,-33.064 80.85,-31.667 80.85,-30.143 80.85,-28.619 80.85,-26.968 80.85,-25.444 80.85,-24.047 80.85,-22.523 29.718,-21.209 80.85,-20.999 28.575,-20.066 80.85,-19.475 0.381,-19.05 2.032,-19.05 3.556,-19.05 5.207,-19.05 6.858,-19.05 8.382,-19.05 80.85,-17.824 0.381,-17.78 80.85,-16.3 48.514,-16.256 0.381,-16.129 18.415,-16.002 22.86,-16.002 80.85,-14.903 0.381,-14.605 80.85,-13.379 0.381,-12.954 80.85,-11.855 18.161,-11.811 19.431,-11.811 0.381,-11.303 47.498,-11.176 48.641,-11.176 80.85,-10.204 51,-10 0.381,-9.779 80.85,-8.68 0.381,-8.255 80.85,-7.283 0.381,-6.604 80.85,-5.759 0.381,-5.08 80.85,-4.235 0.381,-3.556 80.85,-2.711 0.381,-1.905 80.85,-1.441 0.381,-0.381 1.905,-0.381 3.429,-0.381 4.953,-0.381 6.604,-0.381 8.128,-0.381 9.652,-0.381 11.303,-0.381 14.478,-0.381 16.002,-0.381 17.526,-0.381 20.701,-0.381 22.225,-0.381 23.876,-0.381 25.4,-0.381 26.924,-0.381 28.448,-0.381 29.972,-0.381 31.623,-0.381 33.147,-0.381 34.671,-0.381 36.322,-0.381 37.846,-0.381 39.624,-0.381 41.148,-0.381 42.672,-0.381 44.323,-0.381 45.847,-0.381 47.371,-0.381 49.022,-0.381 50.546,-0.381 51.943,-0.381 53.467,-0.381 54.991,-0.381 56.642,-0.381 58.166,-0.381 59.69,-0.381 61.341,-0.381 62.865,-0.381 64.262,-0.381 65.786,-0.381 67.31,-0.381 68.961,-0.381 70.739,-0.381 72.263,-0.381 73.787,-0.381 75.184,-0.381 76.835,-0.381 78.359,-0.381 79.883,-0.381